# KiCad board s100_ColorMagic-1.0-001.kicad_pcb (continued)
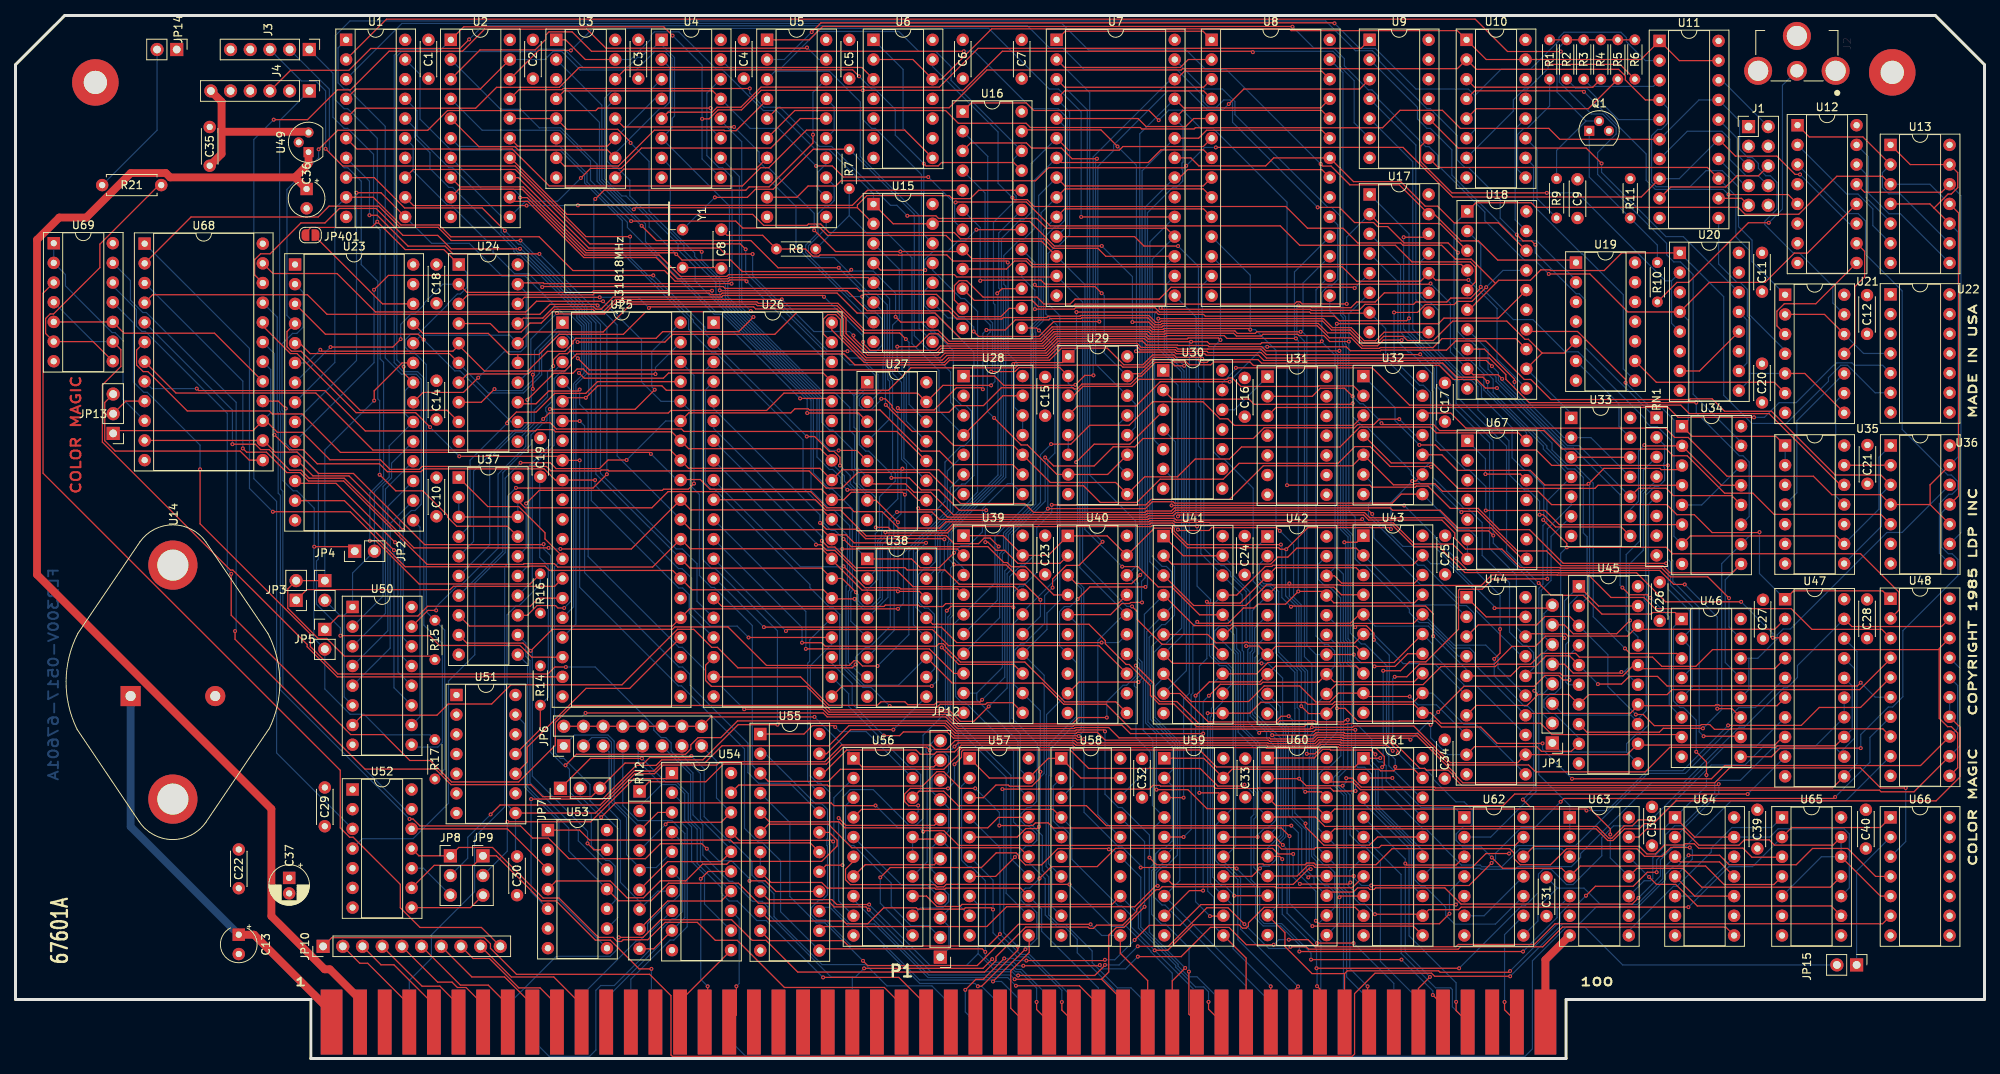
[diagram p0: board, top side]
## Nets (continued)
/SLAVE_CLR: P1.54 U5.18
/STATUS_CS: U45.1 U45.19 U55.22
/sWO: P1.97 U18.16 U61.5
/TMR_INT: JP10.10 U69.3
/TMRCS: U55.16 U68.21
/VI0: JP10.2 P1.4
/VI1: JP10.3 P1.5
/VI2: JP10.4 P1.6
/VI3: JP10.5 P1.7
/VI4: JP10.6 P1.8
/VI5: JP10.7 P1.9
/VI6: JP10.8 P1.10
/VI7: JP10.9 P1.11
/Video Generator/ONE: JP401.2 R15.1 R17.1 RN1.1 U24.1
/Video Generator/ZERO: JP1.2 JP1.4 JP1.6 JP1.8 JP2.2 JP4.2 U4.1 U4.6 U23.20 U23.22 U27.1 U27.6 U50.1 U50.6
/Video Timing/ONE: U5.1 U12.12 U20.4 U34.1 U35.1 U35.2
/Video Timing/ZERO: U6.2 U6.12 U10.1 U10.15 U11.1 U11.19
/VSYNC_DLY: U6.13 U18.6 U20.1 U22.6 U34.10 U45.8
/WR: U25.36 U33.5 U55.3 U61.1 U62.10 U68.23
A0: P1.79 U25.9 U26.24 U55.15 U61.6 U68.19
A1: P1.80 U25.8 U55.13 U57.2 U68.20
A2: P1.81 U55.11 U57.4
A3: P1.31 U55.10 U57.6
A4: P1.30 U55.9 U57.8
A5: P1.29 U57.11
A6: P1.82 U55.7 U55.8 U57.13
A7: P1.83 U55.6 U57.15
A8: P1.84 U55.5 U57.17
A9: P1.34 U55.4 U58.11
A10: P1.37 U56.13 U58.13
A11: P1.87 U56.11 U58.15
A12: P1.33 U56.8 U58.17
A13: P1.85 U56.6 U58.2
A14: P1.86 U56.4 U58.4 U61.9
A15: P1.32 U54.17 U56.2
A16: P1.16 U54.15
A17: P1.17 U54.13
A18: P1.15 U54.11
A19: P1.59 U54.8
A20: P1.61 U54.6
A21: P1.62 U54.4
A22: P1.63 U54.2
A23: JP9.1 P1.64 U52.9
ALPHA_DOTS: U1.12 U16.5
AT0: U2.2 U15.6 U27.2
AT1: U2.5 U3.10 U4.2
AT2: U2.6 U3.6 U27.3
AT3: U2.9 U4.3 U15.10
AT4: U2.12 U15.5 U27.4
AT5: U2.15 U3.11 U4.4
AT6: U2.16 U3.5 U27.5
AT7: U1.4 U2.19 U4.5 U9.1
ATCLK: U2.11 U5.16
B: U5.9 U11.8 U11.15 U12.11
B_HSYNC_OUT: J1.6 U11.9
B_OUT: J1.9 U11.12
B_VSYNC_OUT: J1.8 U11.7
BACKGROUND_I: U15.12 U38.12
BLINK: U1.5 U6.3
BUS8V: C13.1 P1.1 P1.51 U14.1
BUS16V: C36.1 P1.2 U49.1
BW: U16.16 U17.7 U32.13
C0: U3.12 U16.8 U18.4 U27.13
C1: U3.4 U4.13 U16.7 U18.5
CC0: U23.7 U24.2 U27.10
CC1: U4.10 U23.6 U24.5
CC2: U23.5 U24.6 U27.11
CC3: U4.11 U23.4 U24.9
CC4: U23.3 U24.12 U27.12
CC5: U4.12 U23.25 U24.15
CC6: U23.24 U24.16 U27.14
CC7: U4.14 U23.21 U24.19
CCLK: U16.19 U26.21
CGRDM11: JP3.1 U25.14
CGRDM12: JP5.1 U25.15
CHG_DOTS: U1.1 U50.13
CLOCK: P1.49 U62.9
COLOR_SEL: U16.15 U38.15
CURSOR: U26.19 U32.3
CURSOR_BLINK: U1.6 U6.1 U6.8
D3IN: U16.23 U46.6
DA12: U1.13 U40.2
DA13: U1.19 U40.4
DI0: P1.95 U42.2 U47.11 U47.18 U60.2
DI1: P1.94 U42.5 U47.13 U47.16 U60.5
DI2: P1.41 U42.6 U47.14 U47.15 U60.6
DI3: P1.42 U42.9 U47.12 U47.17 U60.9
DI4: P1.91 U42.12 U48.11 U48.18 U60.12
DI5: P1.92 U42.15 U48.13 U48.16 U60.15
DI6: P1.93 U42.16 U48.14 U48.15 U60.16
DI7: P1.43 U42.19 U48.12 U48.17 U60.19
DISPEN: U26.18 U32.11
DO0: P1.36 U41.2 U43.2 U44.2 U59.2
DO1: P1.35 U41.4 U43.5 U44.4 U59.4
DO2: P1.88 U41.6 U43.6 U44.6 U59.6
DO3: P1.89 U41.8 U43.9 U44.8 U59.8
DO4: P1.38 U41.11 U43.12 U44.11 U59.11
DO5: P1.39 U41.13 U43.15 U44.13 U59.13
DO6: P1.40 U41.15 U43.16 U44.15 U59.15
DO7: P1.90 U41.17 U43.19 U44.17 U59.17
DOTCLK: U4.7 U18.12 U19.5 U27.7 U33.1 U50.7
DOTD0: U23.11 U50.14
DOTD1: U23.12 U50.12
DOTD2: U23.13 U50.11
DOTD3: U23.15 U50.10
DOTD4: U23.16 U50.5
DOTD5: U23.17 U50.4
DOTD6: U23.18 U50.3
DOTD7: U23.19 U50.2
ENABLE_BLINK: U1.3 U17.15 U19.1
FB1: U18.7 U33.3 U33.12
FB2: U18.8 U33.2 U33.11
G: U5.6 U11.6 U11.17 U21.13
G_OUT: J1.7 U11.14
GA0: U26.4 U39.11
GA1: U26.5 U39.13
GA2: U26.6 U39.15
GA3: U26.7 U39.17
GA4: U26.8 U39.2
GA5: U26.9 U39.4
GA6: U26.10 U39.6
GA7: U26.11 U39.8
GA8: U26.12 U40.11
GA9: U26.13 U40.13
GA10: U26.14 U40.15
GA11: U26.15 U40.17
GA12: U1.7 U26.16
GA13: U1.8 U26.17
GRPH: U1.15 U16.11 U17.5
HCLK: U18.17 U32.9 U39.1 U39.19 U40.1 U40.19 U42.11 U43.11 U46.7 U60.11 U61.8
HDGRAPHIC: U16.9 U17.12 U18.11
HI_ADDR: U54.19 U61.11
HRES: U16.10 U17.2 U18.3
HSYNC: U26.39 U34.6
HSYNC_OUT: U11.11 U20.9 U21.5 U21.8
I: U5.2 U10.6 U11.2
I_OUT: J1.2 U11.18
IDSELECT: U55.1 U56.19
KBD_CLK: C30.1 J3.1 R16.1 U51.8 U64.2
KBD_DATA: J3.2 U37.17
LATCH_CLK: U5.13 U16.14 U24.11
LC1: U5.12 U5.14
LC2: U5.15 U5.17
LCLK: U16.2 U29.2 U29.4 U35.8 U36.3
LPENSTR: U26.3 U45.4 U53.5
MA0: U7.10 U8.10 U39.9 U57.18
MA1: U7.9 U8.9 U39.7 U57.16
MA2: U7.8 U8.8 U39.5 U57.14
MA3: U7.7 U8.7 U39.3 U57.12
MA4: U7.6 U8.6 U39.18 U57.9
MA5: U7.5 U8.5 U39.16 U57.7
MA6: U7.4 U8.4 U39.14 U57.5
MA7: U7.3 U8.3 U39.12 U57.3
MA8: U7.25 U8.25 U40.9 U58.9
MA9: U7.24 U8.24 U40.7 U58.7
MA10: U7.21 U8.21 U40.5 U58.5
MA11: U7.23 U8.23 U40.3 U58.3
MA12: U7.2 U8.2 U40.18 U58.18
MA13: U7.26 U8.26 U28.1 U40.16 U58.16
MDO0: U8.11 U24.3 U42.3 U43.3 U59.18
MDO1: U8.12 U24.4 U42.4 U43.4 U59.16
MDO2: U8.13 U24.7 U42.7 U43.7 U59.14
MDO3: U8.15 U24.8 U42.8 U43.8 U59.12
MDO4: U8.16 U24.13 U42.13 U43.13 U59.9
MDO5: U8.17 U24.14 U42.14 U43.14 U59.7
MDO6: U8.18 U24.17 U42.17 U43.17 U59.5
MDO7: U8.19 U24.18 U42.18 U43.18 U59.3
MDO8: U2.3 U7.11 U41.18 U47.9 U60.3
MDO9: U2.4 U7.12 U41.16 U47.7 U60.4
MDO10: U2.7 U7.13 U41.14 U47.5 U60.7
MDO11: U2.8 U7.15 U41.12 U47.3 U60.8
MDO12: U2.13 U7.16 U41.9 U48.9 U60.13
MDO13: U2.14 U7.17 U41.7 U48.7 U60.14
MDO14: U2.17 U7.18 U41.5 U48.5 U60.17
MDO15: U2.18 U7.19 U41.3 U48.3 U60.18
MEMCS: U61.12 U65.2 U66.1 U69.12
MUX_G: U3.9 U5.7
MUX_I: U5.3 U15.9
MUX_R: U3.7 U5.4
MUXA: U3.14 U15.14 U16.21
MUXB: U3.2 U15.2 U16.20
MUXBLUE: U5.8 U15.7
NEW_RESET: U5.19 U52.3
OVERSCAN_B: U15.3 U38.2
OVERSCAN_G: U3.13 U38.5
OVERSCAN_I: U15.13 U38.10
OVERSCAN_R: U3.3 U38.7
PD0: U17.3 U25.34 U26.33 U38.3 U44.18 U45.18 U47.2 U68.8
PD1: U17.4 U25.33 U26.32 U38.4 U44.16 U45.16 U47.4 U68.7
PD2: U17.6 U25.32 U26.31 U38.6 U44.14 U45.14 U47.6 U68.6
PD3: U17.11 U25.31 U26.30 U38.11 U44.12 U45.12 U47.8 U68.5
PD4: U17.13 U25.30 U26.29 U38.13 U44.9 U45.9 U48.2 U68.4
PD5: U17.14 U25.29 U26.28 U38.14 U44.7 U45.7 U48.4 U68.3
PD6: U25.28 U26.27 U44.5 U45.5 U48.6 U68.2
PD7: U25.27 U26.26 U44.3 U45.3 U48.8 U68.1
pDBIN: P1.78 U55.2 U61.2 U62.1
PHI: JP8.1 P1.24 U52.11
PORTC2: U1.16 U25.16
PORTC3: U1.17 U25.17
PRDY: P1.72 U66.6 U69.11
pSTVAL: JP7.1 P1.25
pSYNC: JP7.3 P1.76 U69.13
pWR*: P1.77 U62.5
Q2: U29.5 U29.6
Q3: U16.4 U29.7 U29.11
Q4: U29.10 U29.13
Q5: U16.3 U29.12 U29.14
Q6: U16.17 U29.15 U46.3
Q7: U16.1 U46.2 U46.4
Q8: U32.1 U46.5
R: U5.5 U10.2 U11.4 U21.1
R_OUT: J1.5 U11.16
RA0: U1.9 U23.8 U26.38
RA1: U1.11 U23.9 U26.37
RA2: U23.10 U26.36
RESET: U25.35 U28.9 U52.4
SELBLUE: U15.4 U16.18
sINP: P1.46 U56.17
SL: U4.15 U16.22 U27.15 U50.15
sMEMR: P1.47 U61.3
sOUT: P1.45 U61.4 U62.3
SPKR_DATA: U25.19 U69.4 U69.9
SPKR_GATE: U25.18 U68.16
STR: U3.1 U3.15 U15.1 U15.15 U18.13
SYNC_SRC: U62.12 U65.3
U12.5: U10.4 U12.5
U19.8: U10.10 U19.8
U25.13: U25.13 U37.1 U53.9 U66.3
U25.24: U25.24 U51.10
U25.25: U25.25 U28.5 U37.8
U35.12: U30.13 U35.12
U35.13: U35.13 U36.2
VIDEO_EN: U9.4 U17.10
VSYNC: U26.40 U34.11
VSYNC_OUT: U9.8 U11.13 U21.4
XTRQ: P1.58 U61.7
Net-(C8-Pad1): C8.1 R8.2 U28.11 U28.12
Net-(C8-Pad2): C8.2 Y1.2
Net-(C19-Pad1): C19.1 R14.1 U51.11
Net-(C31-Pad1): C31.1 U62.8 U64.3 U64.11
Net-(J2-Pad2): J2.2 R10.2
Net-(J4-Pad1): J4.1 U52.13
Net-(JP1-Pad1): JP1.1 RN1.5 U45.11
Net-(JP1-Pad3): JP1.3 RN1.2 U45.13
Net-(JP1-Pad5): JP1.5 RN1.3 U45.15
Net-(JP1-Pad7): JP1.7 RN1.4 U45.17
Net-(JP2-Pad1): JP2.1 JP5.2 R17.2 U23.2
Net-(JP3-Pad2): JP3.2 JP4.1 R15.2 U23.23
Net-(JP6-Pad1): JP6.1 RN2.3 U54.3
Net-(JP6-Pad3): JP6.3 RN2.5 U54.5
Net-(JP6-Pad5): JP6.5 RN2.7 U54.7
Net-(JP6-Pad7): JP6.7 RN2.9 U54.9
Net-(JP6-Pad9): JP6.9 RN2.2 U54.12
Net-(JP6-Pad11): JP6.11 RN2.8 U54.14
Net-(JP6-Pad13): JP6.13 RN2.6 U54.16
Net-(JP6-Pad15): JP6.15 RN2.4 U54.18
Net-(JP7-Pad2): JP7.2 U62.13
Net-(JP8-Pad2): JP8.2 U30.3
Net-(JP8-Pad3): JP8.3 U52.10
Net-(JP9-Pad2): JP9.2 U54.1
Net-(JP9-Pad3): JP9.3 U52.8
Net-(JP12-Pad2): JP12.2 U56.3
Net-(JP12-Pad4): JP12.4 U56.5
Net-(JP12-Pad6): JP12.6 U56.7
Net-(JP12-Pad8): JP12.8 U56.9
Net-(JP12-Pad10): JP12.10 U56.12
Net-(JP12-Pad12): JP12.12 U56.14
Net-(JP13-Pad1): JP13.1 U67.8 U68.15 U68.18
Net-(JP13-Pad2): JP13.2 U68.9
Net-(JP13-Pad3): JP13.3 U68.13
Net-(JP14-Pad2): JP14.2 R21.2
Net-(JP15-Pad1): JP15.1 U66.2
Net-(JP401-Pad1): JP401.1 U23.26
Net-(Q1-Pad1): Q1.1 R10.1 R11.2
Net-(Q1-Pad2): Q1.2 R1.2 R2.2 R3.2 R4.2 R5.2 R6.2 R9.2
Net-(R1-Pad1): R1.1 U10.9
Net-(R2-Pad1): R2.1 U11.5
Net-(R3-Pad1): R3.1 U11.3
Net-(R4-Pad1): R4.1 U10.3
Net-(R5-Pad1): R5.1 U10.5
Net-(R6-Pad1): R6.1 U10.7
Net-(R7-Pad1): R7.1 U28.3 Y1.1
Net-(R7-Pad2): R7.2 R8.1 U28.4 U28.13
Net-(R9-Pad1): R9.1 U10.11
Net-(R21-Pad1): R21.1 U69.6 U69.8
Net-(U12-Pad1): U12.1 U13.2 U13.9
Net-(U12-Pad2): U12.2 U13.6
Net-(U12-Pad3): U12.3 U36.8
Net-(U12-Pad9): U12.9 U21.3
Net-(U12-Pad10): U12.10 U21.11
Net-(U12-Pad13): U12.13 U13.12 U36.9
Net-(U12-Pad14): U12.14 U13.5
Net-(U12-Pad15): U12.15 U13.8
Net-(U19-Pad6): U19.6 U33.13
Net-(U19-Pad9): U19.9 U21.6
Net-(U20-Pad2): U9.9 U20.2 U20.5
Net-(U20-Pad10): U20.10 U20.13
Net-(U20-Pad12): U20.7 U20.12
Net-(U20-Pad14): U9.10 U20.14
Net-(U21-Pad9): U21.9 U35.11
Net-(U21-Pad10): U21.10 U35.4
Net-(U21-Pad12): U21.2 U21.12 U22.4
Net-(U22-Pad5): U22.5 U31.3
Net-(U25-Pad1): U25.1 U37.6
Net-(U25-Pad2): U25.2 U37.14
Net-(U25-Pad3): U25.3 U37.7
Net-(U25-Pad4): U25.4 U37.13
Net-(U25-Pad37): U25.37 U37.4
Net-(U25-Pad38): U25.38 U37.16
Net-(U25-Pad39): U25.39 U37.5
Net-(U25-Pad40): U25.40 U37.15
Net-(U28-Pad6): U28.6 U37.9 U53.13
Net-(U30-Pad1): U30.1 U46.15
Net-(U30-Pad4): U30.4 U63.3
Net-(U30-Pad12): U30.12 U31.1
Net-(U31-Pad2): U31.2 U36.5
Net-(U32-Pad4): U32.4 U34.4
Net-(U32-Pad6): U32.6 U44.1 U44.19
Net-(U33-Pad6): U33.6 U63.1 U63.2
Net-(U33-Pad8): U9.5 U33.8
Net-(U33-Pad9): U33.9 U34.2 U34.13
Net-(U34-Pad14): U34.5 U34.14
Net-(U37-Pad11): U37.11 U53.11 U64.8
Net-(U37-Pad12): U37.12 U53.12
Net-(U51-Pad13): U51.13 U53.8
Net-(U52-Pad12): U52.12 U53.3
Net-(U62-Pad11): U62.6 U62.11
Net-(U63-Pad8): U63.8 U65.1
Net-(U63-Pad12): U63.12 U65.9
Net-(U63-Pad13): U63.13 U65.5 U65.12 U65.13 U66.5
Net-(U64-Pad12): U64.5 U64.12
Net-(U67-Pad1): U67.1 U67.12
Net-(U68-Pad10): U68.10 U69.1 U69.2
Net-(U68-Pad17): U68.17 U69.5 U69.10

Pads without a net: H1 1; H2 1; J1 3 4; J4 2; RN1 6 7 8; U1 14 18; U6 4 5 6 9 10 11; U9 11 12 13; U10 13 14; U12 6; U18 15; U19 3 4 10 11 12 13; U20 3 6 11 15; U22 1 2 3 8 9 10 11 12 13; U23 1 27; U25 10 11 12 20 21 22 23; U26 34 35; U30 8 9 10 11; U31 4 5 6 8 9 10 11 12 13; U35 3 5 6 10; U36 6; U40 6 8 12 14; U51 1 2 3 4 5 6; U52 1 2 5 6; U53 6; U58 6 8 12 14; U63 6 9; U64 6 9; U65 6 8; U66 8 9 10 11 12 13; U67 2 3 4 5 9 11 13

## Via types
v1: diameter 0.508, hole 0.254, Component to Copper, 539 vias

## Routing (per net, layer and track width the routed paths; a pad name or vN(x,y) marks a point on that pad's centre or on a via; arc(x,y) is an arc through that point)
+12V: length 22.1
  Component w1: U49.3 37.71,119.61 26.58,119.61 ; 26.58,119.61 26.58,123.5 J4.6 ; 26.58,119.61 26.58,116.76 C35.1
GND: length 25
  Component w1: P1.50 197.36,12.74 U63.7
  Copper w1: U63.7 197.36,12.74 P1.50
2C1: length 86.7
  Component w0.152: v1(139.81,95.11) 133.93,95.11 132.01,93.2 124.25,93.2 v1(123.6,93.84) ; U9.3 173.41,125.13 158.45,125.13 v1(156.51,123.19)
  Copper w0.152: v1(156.51,123.19) 155.81,122.49 153.72,122.49 151.32,124.89 148.64,124.89 141.66,117.91 141.66,117.19 139.63,115.16 139.63,95.3 v1(139.81,95.11) ; U15.11 120.29,95.59 122.43,95.59 123.6,94.41 v1(123.6,93.84)
3.58MHZ: length 42.1
  Copper w0.152: 223.61,51.65 223.61,47.63 U46.12 ; 223.61,51.65 224.74,51.65 227.25,54.16 227.25,54.66 228.02,55.44 228.96,55.44 241.42,67.9 243.38,67.9 U36.12 ; 223.61,51.65 U46.14
7MHZ: length 147.4
  Component w0.152: U46.10 222.45,41.59 v1(217.76,41.59) ; v1(189.02,99.59) 189.02,99.44 187.73,98.15 185.15,98.15 184.64,97.64 180.65,97.64 180.35,97.34 174.08,97.34 173.31,96.56 167.15,96.56 167.01,96.7 147.89,96.7 v1(147.72,96.88)
  Copper w0.152: U30.5 146.94,79.76 146.94,96.1 v1(147.72,96.88) ; U18.2 189.02,105.06 v1(189.02,99.59) 189.02,99.57 193.22,95.37 195.74,95.37 199.9,91.21 201.58,91.21 210.25,82.54 210.25,82.24 210.92,81.56 211.8,81.56 213.63,79.73 213.63,64.38 213.8,64.21 213.8,61.61 217.2,58.21 217.2,42.16 v1(217.76,41.59)
14MCLK: length 318.7
  Component w0.152: U13.11 250.65,109.15 250.65,72.63 U36.11 ; U13.3 240.85,113.87 234.95,113.87 230.04,108.97 223.12,108.97 222.23,109.86 196.11,109.86 195.52,110.45 188.39,110.45 U18.1 ; U67.14 193.89,80.75 183.27,80.75 182.52,81.5 173.43,81.5 170.86,78.93 158.15,78.93 156.6,77.37 152.18,77.37 149.88,75.08 145.66,75.08 U29.9 141.91,74.35 133.49,74.35 U28.10 128.71,79.13 121,79.13 119.2,80.93 115.7,80.93 v1(112.26,84.36) ; v1(238.04,40.06) 227.61,40.06 226.51,38.95 U46.9
  Copper w0.152: U5.11 104.57,107.18 102.29,104.9 102.29,104.1 103.01,103.38 105.6,103.38 107.33,101.66 107.33,101.56 110.24,98.64 111.07,98.64 112.45,97.26 112.45,90.24 112.22,90.01 112.22,84.4 v1(112.26,84.36) ; U13.3 246.96,112.84 U13.11 ; U18.1 185.58,107.64 185.58,91.78 187.07,90.29 187.49,90.29 189.42,88.36 189.42,86.28 194.92,80.78 U67.14 ; U36.11 248.49,70.47 248.49,65.99 249.33,65.15 249.82,65.15 250.56,64.41 250.56,62.31 243.47,55.22 243.47,46.7 242.14,45.37 241.6,45.37 238.04,41.81 v1(238.04,40.06)
6845E: length 125.6
  Component w0.152: v1(137.84,41.23) 137.75,41.14 136.97,41.14 136.76,41.35 121,41.35 120.19,42.15 114.53,42.15 114.05,41.67 v1(112.02,41.67) ; v1(157.52,24.52) 157.39,24.65 v1(145.15,24.65) ; v1(165.62,13.81) v1(194.47,13.81)
  Copper w0.152: v1(165.62,13.81) 165.62,14.69 163.2,17.11 160.95,17.11 159.97,18.09 159.97,22.07 v1(157.52,24.52) ; U63.5 198.86,19.32 198.86,18.19 v1(194.47,13.81) ; v1(145.15,24.65) 145.15,24.9 142.74,27.31 142.3,27.31 137.84,31.77 v1(137.84,41.23) ; v1(112.02,41.67) 107.93,45.76 107.93,48.38 105.3,51.01 U26.23
/3.6MCLK: length 102.6
  Component w0.152: U34.9 221.46,62.69 213.4,62.69 212.49,63.61 199.4,63.61 197.49,65.51 193.74,65.51 188.62,70.63 186.63,70.63 v1(186.52,70.51) ; U30.2 149.21,85.1 159.12,85.1 159.79,84.44 172.38,84.44 v1(172.49,84.55)
  Copper w0.152: U34.9 220.56,61.79 220.56,51.1 U46.13 ; v1(186.52,70.51) 183.01,74.02 181.4,74.02 180.06,75.37 180.06,75.79 174.33,81.51 173.85,81.51 172.49,82.87 v1(172.49,84.55)
/7MHZ: length 97
  Component w0.152: U46.11 221.43,45.15 v1(219.52,45.15) ; v1(215.33,61.19) 213.92,61.19 212.11,63 199.15,63 199.12,63.02 187.3,63.02 185.88,64.45 v1(185.88,64.54) ; v1(179.14,71.38) v1(149.13,71.38)
  Copper w0.152: v1(149.13,71.38) 149.13,75.02 U30.6 ; v1(215.33,61.19) 219.52,56.99 v1(219.52,45.15) ; v1(179.14,71.38) 183.12,67.4 183.12,67.2 185.79,64.54 v1(185.88,64.54)
/6845CS: length 24.5
  Copper w0.152: U26.25 102.45,54.03 102.45,51.27 102.19,51.01 102.19,35.77 U55.21
/6845WRT: length 109.2
  Component w0.152: v1(164.58,30.06) 140.72,30.06 138.15,32.63 121.61,32.63 119.73,34.51 116.57,34.51 U56.18 ; v1(167.74,17.78) 168.13,17.39 183.67,17.39 v1(184.98,18.7)
  Copper w0.152: U26.22 107.48,47.08 107.48,45.46 115.5,37.43 115.97,37.43 116.76,36.64 116.76,34.7 U56.18 ; U62.4 184.98,21.58 v1(184.98,18.7) ; v1(164.58,30.06) 165.48,29.15 165.48,23.86 167.74,21.6 v1(167.74,17.78)
/BLANK: length 15.7
  Copper w0.152: U10.12 193.46,119.98 193.46,108.24 U18.19
/Buffers_Memory/ZERO: length 20.9
  Component w0.152: U7.1 135.41,132.59 153.19,132.59 U8.1
/BW: length 137.2
  Component w0.152: 246.98,71.5 246.98,74.04 U36.13 ; 246.98,71.5 U36.10 ; 246.98,71.5 U36.4 240.63,72.77 234.31,72.77 231.92,75.15 220.79,75.15 215.79,80.16 214.03,80.16 212.83,81.36 187.1,81.36 185.15,83.31 181.81,83.31 U32.12 ; 247.49,109.77 246.96,110.3 U13.4 ; 247.49,109.77 U13.10 ; 247.49,109.77 249.3,111.57 249.71,111.57 250.55,112.41 250.55,114.33 U13.13 244.42,115.38 U13.1
  Copper w0.152: U36.13 250.62,77.68 250.62,106.64 U13.10
/Clock_and_address/ONE: length 165.9
  Component w0.152: v1(178.32,39.41) 178.32,39.74 177.33,40.73 171.01,40.73 170.9,40.84 168.26,40.84 167.76,40.33 161.53,40.33 161.43,40.43 136.81,40.43 136.51,40.74 121.61,40.74 v1(121.13,40.26) ; v1(190.44,25.95) 191.83,24.56 199.44,24.56 U63.4 201.84,24.84 218.02,24.84 220.41,22.45 226.83,22.45 U65.4 ; RN2.1 81.74,35.72 89.04,35.72 91.33,38 104.6,38 106.77,40.17 117.55,40.17 v1(117.94,39.78)
  Copper w0.152: v1(117.94,39.78) 118.04,39.87 120.74,39.87 v1(121.13,40.26) ; v1(178.32,39.41) 180.28,37.44 181.79,37.44 182.87,36.36 182.87,36.07 185.82,33.12 186.88,33.12 187.93,32.07 187.93,30.23 187.66,29.96 186.82,29.96 185.84,28.98 185.84,28.16 186.68,27.31 189.08,27.31 v1(190.44,25.95)
/Clock_and_address/ZERO: length 93.8
  Component w0.152: U56.1 109.19,37.65 118.47,37.65 JP12.11 ; JP6.2 JP6.4 JP6.6 JP6.8 JP6.10 JP6.12 JP6.14 JP6.16 89.71,44.09 v1(103.07,44.09) ; JP12.7 115.98,28.32 U56.16
  Copper w0.152: v1(103.07,44.09) 108.1,39.06 U56.1 ; JP12.1 120.42,14.2 120.42,17.04 JP12.3 120.73,19.59 120.73,26.89 JP12.7 ; JP12.11 118.22,37.4 118.22,34.48 JP12.9 120.38,32.32 120.38,29.4 JP12.7 ; U56.16 U56.15 ; JP12.7 118.22,27.24 118.22,24.32 JP12.5
/CLR_SL: length 318.5
  Component w0.152: v1(84.76,132.02) 83.63,133.16 57.83,133.16 U2.1 ; v1(159.62,129.89) 159.5,130 127.3,130 122.26,124.96 v1(109.33,124.96) 96.18,124.96 93.66,122.43 90.63,122.43 89.47,121.28 v1(88.57,121.28)
  Copper w0.152: v1(109.33,124.96) 109.33,121.17 110.45,120.05 110.91,120.05 116.86,114.09 116.86,95 118.1,93.77 118.56,93.77 120.98,91.35 120.98,85.35 122.06,84.27 122.62,84.27 123.33,83.56 123.33,80.01 122.32,79 121.93,79 119.9,76.98 119.9,71.9 U27.9 ; v1(159.62,129.89) 159.73,130 169.96,130 170.81,129.14 170.81,128.1 172.69,126.22 172.69,120.77 U9.6 ; U50.9 51.4,40.2 54.48,40.2 55.06,40.78 55.06,53.55 52.67,55.94 52.67,87.84 51.87,88.65 50.02,88.65 48.85,89.81 48.85,129.49 49.64,130.27 54.94,130.27 U2.1 ; v1(84.76,132.02) 88.57,128.22 v1(88.57,121.28) 88.57,116.1 U4.9
/CURSOR_DLY: length 224.6
  Component w0.152: v1(199.34,129.97) 192.47,129.97 188.3,134.14 47.85,134.14 U1.2
  Copper w0.152: v1(199.34,129.97) 199.16,129.79 199.16,126.02 203.27,121.91 204.75,121.91 206.49,120.18 206.49,119.33 204.09,116.94 204.09,114.11 213,105.21 213,103.75 213.92,102.82 214.78,102.82 216.41,101.19 216.41,85.75 222.6,79.56 U34.15
/DISPEN: length 52.7
  Component w0.152: U34.3 214.46,76 212.3,76 212.14,76.17 204.91,76.17 v1(202.92,74.18) 202.77,74.02 197.29,74.02 195.4,75.91 186,75.91 183.99,77.92 U32.10
  Copper w0.152: U45.2 203.05,59.77 203.05,74.05 v1(202.92,74.18)
/DISPEN_DLY: length 125.1
  Component w0.152: v1(182.54,100.03) 182.44,99.94 132.82,99.94 132.29,100.47 124.54,100.47 v1(124.45,100.38) ; U18.9 188.05,88.25 191.24,88.25 v1(191.78,87.72) ; U34.12 221.39,72.66 213.88,72.66 212.93,73.6 209.38,73.6 U33.10
  Copper w0.152: v1(191.78,87.72) 191.78,87.52 200.2,79.1 201.72,79.1 U33.10 ; v1(124.45,100.38) 124.45,107.25 U16.6 ; U18.9 185.11,91.19 185.11,97.47 v1(182.54,100.03)
/EN2: length 71.9
  Component w0.152: v1(160.44,42.04) 160.61,42.22 167.48,42.22 167.7,42.43 v1(172.84,42.43) ; U41.19 150.64,64.89 U41.1
  Copper w0.152: v1(172.84,42.43) 172.84,37.89 173.14,37.59 174.04,37.59 174.93,36.7 174.93,32.58 180.07,27.43 180.07,22.42 U61.13 ; U41.19 157.17,63.44 157.17,62.29 159.24,60.23 159.24,53.04 158.96,52.77 158.96,43.51 v1(160.44,42.04)
/EN3: length 83.9
  Component w0.152: U48.19 248.46,55.76 236.88,55.76 U47.19
  Copper w0.152: U47.19 229.87,50.71 229.87,49.18 228.54,47.85 228.09,47.85 223,42.76 222.36,42.76 215.21,35.61 211.06,35.61 201.9,26.45 201.9,25.96 200.71,24.77 193.82,24.77 193.48,24.43 189.05,24.43 188.93,24.55 182.56,24.55 U61.14
/EN4: length 47.6
  Component w0.152: v1(171.41,66.63) 173.03,66.63 U43.1
  Copper w0.152: v1(171.41,66.63) 171.59,66.45 171.59,54.05 171.85,53.79 171.85,51.33 172.65,50.53 172.65,43.53 174.95,41.23 174.95,38.34 175.78,37.51 175.78,32.59 181.52,26.85 U61.15
/EN5: length 57.8
  Component w0.152: U61.16 175.71,28.59 174.64,27.53 168.79,27.53 166.41,29.91 v1(166.41,30.33)
  Copper w0.152: v1(166.41,30.33) 165.03,31.7 165.03,45.19 165.03,45.19 165.03,49.85 162.53,52.35 162.53,60.27 161.83,60.97 160.83,60.97 160.13,61.67 160.13,66 U42.1
/EN6: length 25.6
  Component w0.152: v1(175.43,39.25) 174.88,39.81 169.65,39.81 169.56,39.9 168.62,39.9 167.51,38.79 U60.1
  Copper w0.152: U61.17 176.82,35.83 176.82,37.78 176.32,38.29 175.85,38.29 175.43,38.71 v1(175.43,39.25)
/ENABLE_BLINK: length 41.5
  Copper w0.152: U19.2 201.3,100.47 196.24,105.53 193.78,105.53 185.29,114.02 185.29,117.28 182.52,120.05 182.08,120.05 180.85,121.27 180.85,122.77 U9.2
/EVNWR: length 131.8
  Component w0.152: v1(172.82,55.68) 173,55.86 174.28,55.86 175.23,54.9 v1(175.23,54.04) ; U61.19 180.4,37.33 177.99,37.33 ; 177.99,37.33 v1(177.99,37.65) ; 177.99,37.33 177.79,37.13 176.1,37.13 175.9,37.33 156.94,37.33 U59.19 153.28,38.75 U59.1
  Copper w0.152: U8.27 171.24,127.24 171.24,96.08 171.58,95.74 171.58,92.95 171.48,92.86 171.48,92.28 171.64,92.12 171.64,68.44 172.51,67.57 172.51,55.99 v1(172.82,55.68) ; v1(175.23,54.04) 177.22,52.05 177.22,48.55 177.16,48.49 177.16,39.42 177.99,38.6 v1(177.99,37.65)
/HCLK: length 233.5
  Component w0.152: v1(205.73,28.92) 205.73,29.64 202.86,32.5 195.36,32.5 v1(194.45,33.42) ; v1(132.02,93.97) 131.71,94.28 U16.13 ; U32.8 178.76,72.84 177.6,71.69 149.51,71.69 149.33,71.86 146.65,71.86 145.76,70.97 v1(133.17,70.97) ; U57.1 125.62,36.2 U57.19 133.24,38.74 U58.1 137.44,36.2 U58.19 ; U63.11 209.15,24.53 215.11,24.53 217.53,22.11 234.11,22.11 U65.11 ; v1(190.76,51.58) 191.51,52.33 v1(191.51,55.43)
  Copper w0.152: v1(132.02,93.97) 134.08,91.91 134.08,78.14 133.17,77.23 v1(133.17,70.97) 131.33,69.13 131.33,64.86 130.14,63.67 129.71,63.67 128.25,62.21 128.25,43.28 129.61,41.91 129.61,37.29 U57.19 ; v1(190.76,51.58) 190.76,49.36 194.66,45.46 195.1,45.46 195.84,44.73 195.84,34.81 v1(194.45,33.42) ; v1(205.73,28.92) 205.73,25.89 U63.11 ; U32.8 186.03,68.31 187.47,68.31 188.54,67.24 188.54,62.74 191.51,59.77 v1(191.51,55.43)
/HSYNC_DLY: length 77.6
  Component w0.152: U34.7 216.06,67.45 234.87,67.45 U35.9 ; v1(207.7,87.24) 207.7,87.64 201.5,93.84 195.16,93.84 U18.14
  Copper w0.152: U34.7 213.94,67.41 213.94,82.42 212.06,84.29 210.64,84.29 v1(207.7,87.24) ; U36.1 240.39,77.61 240.39,70.91 U35.9
/IDEN1: length 200.4
  Component w0.152: v1(120.13,57.8) 120.69,58.36 128.6,58.36 v1(128.73,58.23) ; v1(224.97,67.94) 224.92,67.88 218.87,67.88 216.57,70.19 214.32,70.19 213.02,71.49 198.15,71.49 196.44,73.21 184.08,73.21 183.1,74.18 180.52,74.18 180.38,74.05 177.75,74.05 U32.5 172.46,76.5 160.96,76.5 156.63,72.17 146.52,72.17 145.82,71.46 v1(133.67,71.46) ; v1(106.68,24.95) 104.55,24.95 U55.17 ; U47.1 229.36,60.36 240.86,60.36 U48.1
  Copper w0.152: U47.1 224.97,62.59 v1(224.97,67.94) ; v1(120.13,57.8) 119.96,57.63 119.96,44.62 117.07,41.73 117.07,31.01 116.15,30.09 115.26,30.09 110.64,34.71 107.68,34.71 106.68,33.71 v1(106.68,24.95) ; v1(128.73,58.23) 128.73,60.18 129.52,60.97 129.99,60.97 131.75,62.72 131.75,68.55 133.67,70.48 v1(133.67,71.46)
/IO Chips/KBD_INT*: length 232.7
  Component w0.152: v1(192.81,10.61) 183.06,10.61 182.67,11.01 175.37,11.01 172.74,8.37 172.74,0.58 172.43,0.28 84.73,0.28 84.56,0.46 84.56,8.11 81.8,10.86 64.63,10.86 61.27,14.22 61.27,14.81 60.48,15.6 40.8,15.6 JP10.1 ; U66.4 239.96,23.5 236.35,27.11 231.81,27.11 229.71,25.01 221.05,25.01 219.83,26.23 v1(215.82,26.23)
  Copper w0.152: v1(215.82,26.23) 214.36,24.77 213.85,24.77 212.83,23.75 212.83,23.08 209.32,19.58 203.93,19.58 201.74,17.39 199.59,17.39 v1(192.81,10.61)
/IO Chips/ONE: length 288.4
  Component w0.152: v1(140.54,42.22) 140.35,42.41 136.83,42.41 136.7,42.29 121.38,42.29 120.09,43.58 93.14,43.58 90.98,41.42 88.05,41.42 87.12,40.48 87.12,39.95 86.43,39.26 72.36,39.26 v1(70.94,37.84) ; v1(146.28,25.94) 147.2,25.01 160.29,25.01 160.38,25.1 160.93,25.1 161.02,25.01 166.36,25.01 166.58,25.23 167.49,25.23 167.71,25.01 175.51,25.01 177.58,27.08 192.75,27.08 193.35,26.49 193.35,25.76 194.1,25.01 198.01,25.01 200.08,27.07 209.17,27.07 210.15,26.1 212.39,26.1 213.54,27.24 v1(215.98,27.24) ; v1(68.13,66.39) 68.07,66.33 52.77,66.33 43.59,75.51 39.09,75.51 36.34,78.26 33.49,78.26 31.98,79.77 U68.14 U68.11 ; U64.4 216.62,20.96 U64.10
  Copper w0.152: v1(140.54,42.22) 140.54,34.12 142.27,32.39 142.73,32.39 146.28,28.84 v1(146.28,25.94) ; U64.4 216.32,25.74 216.32,26.9 v1(215.98,27.24) ; v1(68.13,66.39) 68.13,65.8 69.03,64.89 69.03,39.5 70.69,37.84 v1(70.94,37.84) 71.46,37.33 71.46,34.41 74.27,31.59 74.27,27.44 76.15,25.56 76.61,25.56 77.35,24.83 77.35,20.37 U53.10
/IO Chips/ZERO: length 143.8
  Component w0.152: U37.19 64.8,72.02 65.74,71.08 82.09,71.08 84.18,73.17 102.58,73.17 104.67,71.08 107.67,71.08 108.17,70.58 111.79,70.58 113.91,68.46 119.21,68.46 120.02,69.27 146.21,69.27 146.36,69.41 149.4,69.41 149.63,69.19 154.05,69.19 154.1,69.13 177.75,69.13 180.48,66.4 185.38,66.4 U67.7 ; U37.18 U37.3
  Copper w0.152: U37.19 U37.18 ; U37.3 U37.2 ; U67.7 U67.6
/LPEN_CLR: length 36.2
  Component w0.152: U55.18 102.51,27.83 92.61,27.83 92.24,28.19 74.05,28.19 72.76,29.48 U53.1
/LPEN_SET: length 44.9
  Component w0.152: U53.4 69.74,22.92 76.71,22.92 78.88,20.75 81.01,20.75 83.19,22.93 86.48,22.93 88.62,25.08 91.75,25.08 92.11,25.44 103.99,25.44 105.99,27.44 105.99,28.18 104.99,29.18 U55.19
/LPENSW: length 238.2
  Component w0.152: J4.3 35.49,127.55 43.01,127.55 45.83,130.36 57.34,130.36 v1(58.52,131.54) ; v1(186.06,104.01) 184.8,105.27 179.12,105.27 177.01,107.38 175.71,107.38 175.19,107.9 172.74,107.9 170.78,109.86 v1(167.98,109.86)
  Copper w0.152: v1(58.52,131.54) 60.27,133.29 130.54,133.29 133.38,130.45 135.06,130.45 137.84,127.67 149.78,127.67 153.19,124.26 153.19,123.51 153.91,122.8 154.94,122.8 155.86,123.72 156.67,123.72 157,123.39 157,120.84 v1(167.98,109.86) ; U45.6 200.34,48.24 199.97,48.61 199.97,53.45 200.44,53.92 200.44,58.62 201.6,59.78 202.45,59.78 202.74,60.06 202.74,67.34 202.24,67.83 202.24,75.01 201.16,76.09 200.23,76.09 197.55,78.77 197.55,79.06 190.62,85.99 190.62,87.67 188.88,89.41 188.88,91.47 187.52,92.83 187.04,92.83 186.06,93.81 v1(186.06,104.01)
/ODDWR: length 110.7
  Copper w0.152: U7.27 153.35,125.13 155.69,125.13 157.3,123.52 157.3,121.83 169.28,109.85 169.77,109.85 170.94,108.69 170.94,95.95 171.27,95.62 171.27,93.08 171.17,92.98 171.17,92.15 171.26,92.06 171.26,68.38 172.2,67.44 172.2,54.91 173.6,53.51 174.07,53.51 176.92,50.67 176.92,48.68 176.86,48.62 176.86,39.29 177.16,38.99 177.16,37.79 181.28,33.67 U61.18
/PHANTOM: length 161.7
  Copper w0.152: P1.67 92.08,2.41 94.21,0.28 194.72,0.28 195.68,1.24 195.68,12.61 200.06,16.99 202.41,16.99 207.33,12.08 JP15.2
/PIACS: length 68.2
  Component w0.152: U25.6 v1(72.77,82.28)
  Copper w0.152: U55.20 99.89,35.53 95.85,35.53 94.48,36.9 94.48,40.7 87.02,48.16 87.02,49.56 86.06,50.53 85.59,50.53 73.41,62.71 73.41,81.65 v1(72.77,82.28)
/PORT1_WR: length 161.6
  Component w0.152: v1(147.35,22.29) 147.08,22.29 144.38,19.59 127.86,19.59 125.3,17.03 104.25,17.03 U55.14 ; U17.9 176.55,93.74 175.46,92.65 173.99,92.65 172.3,94.33 169.89,94.33 168.73,95.5 v1(147.42,95.5)
  Copper w0.152: v1(147.42,95.5) 147.42,91.63 150.44,88.62 150.44,55.56 148.33,53.46 147.9,53.46 146.85,52.4 146.85,48.34 146.69,48.19 146.69,43.91 149.89,40.72 149.89,26.25 148.42,24.78 147.97,24.78 147.17,23.98 147.17,22.47 v1(147.35,22.29)
/PORT2_WR: length 16.8
  Component w0.152: U55.23 104.63,39.34 107.74,42.44 v1(113.24,42.44)
  Copper w0.152: U38.9 v1(113.24,42.44)
/Q8: length 40
  Component w0.152: U29.3 136.5,85.54 137.7,86.75 143.99,86.75 144.91,87.66 156.26,87.66 156.44,87.84 156.96,87.84 158.07,86.74 168.05,86.74 168.12,86.81 172.61,86.81 U32.2
/RAMRD: length 51.2
  Component w0.152: U18.18 191.31,107.85 185.58,107.85 183.43,110.01 181.85,110.01 178.69,113.18 172.6,113.18 U8.22 162.3,116.24 161.28,115.21 152.64,115.21 151.62,116.24 U7.22
/RD: length 260.6
  Component w0.152: v1(65.08,104.5) 56.21,104.5 54.47,106.24 49.99,106.24 46.52,109.71 41.78,109.71 39.92,107.85 36.82,107.85 32.84,103.86 31.61,103.86 30.85,103.1 30.85,101.14 U68.22 ; v1(189.91,87.33) 189.3,87.94 185.93,87.94 184.11,89.76 160.73,89.76 160.28,90.2 154.06,90.2 153.7,89.84 152.88,89.84 152.53,90.2 149.61,90.2 149.3,90.5 146.83,90.5 145.56,89.24 142.85,89.24 142.59,89.49 129.33,89.49 128.99,89.15 115.51,89.15 112.61,86.25 83.95,86.25 83.38,86.83 75.12,86.83 v1(73.57,85.28) 71.02,85.28 U25.5
  Copper w0.152: v1(65.08,104.5) 65.23,104.5 73.08,96.65 73.08,95.77 73.95,94.9 73.95,85.66 v1(73.57,85.28) ; U62.2 190.29,28.58 196.14,34.43 196.14,47 196.51,47.36 196.51,60.69 197.04,61.23 197.04,68.79 197.56,69.31 197.56,71.94 U33.4 197.09,78.65 197.09,79.04 189.91,86.22 v1(189.91,87.33)
/RESET: length 371.4
  Component w0.152: v1(102.07,80.28) 103.08,80.28 105,78.36 105.59,78.36 106.35,77.6 v1(106.35,76.55) ; U64.1 216.62,28.58 U64.13 ; v1(136.86,96.34) 147.14,96.34 147.44,96.04 153.26,96.04 153.48,95.81 170.16,95.81 170.74,95.22 179.45,95.22 v1(179.76,95.53) ; U29.1 135,89.82 128.9,89.82 v1(128.71,89.63) ; v1(79.28,106.08) 73.58,106.08 64.46,115.2 42.22,115.2 v1(40,117.41) ; v1(196.49,61.37) 198.08,59.78 202.24,59.78 204.65,57.36 211.01,57.36 211.21,57.57 214.09,57.57 U46.1 ; v1(218.14,36.58) 218.14,38.27 v1(216.81,39.59) ; U38.1 115.6,64.48 116.73,63.36 119.15,63.36 v1(121.08,65.28)
  Copper w0.152: U46.1 213.87,55.67 213.87,46.15 214.72,45.3 215.18,45.3 216.81,43.67 v1(216.81,39.59) ; v1(196.49,61.37) 192.34,65.51 192.34,79.03 186.19,85.18 186.19,87.47 179.76,93.9 v1(179.76,95.53) 179.76,106.44 U17.1 ; J3.3 36.87,126.18 38.72,126.18 40,124.89 v1(40,117.41) ; U29.1 136.86,91.68 v1(136.86,96.34) ; 128.51,74.2 128.51,89.43 v1(128.71,89.63) ; 128.51,74.2 128.56,74.2 U28.8 ; 128.51,74.2 127.96,74.2 124.73,70.96 124.73,67.98 122.93,66.18 121.98,66.18 v1(121.08,65.28) ; U64.13 226.31,28.58 227.39,29.66 235.88,29.66 236.56,28.98 236.56,22.02 U65.10 ; U63.10 210.11,22.95 210.93,22.95 211.21,23.23 211.21,25.9 212.53,27.22 212.53,29.57 U64.1 218.14,35.18 v1(218.14,36.58) ; U38.1 108.78,65.58 108.78,73.09 107.69,74.18 107.69,75.21 v1(106.35,76.55) ; v1(79.28,106.08) 79.28,103.39 82.07,100.59 82.15,100.59 87.45,95.29 87.45,95.05 U26.2 90.06,92.29 v1(102.07,80.28)
